# Altium PCB STM32F207VC.PcbDoc (part 6 of 16)
Units mm, origin at the board's own origin, x right, y up, seen from the top; angles counter-clockwise.
Board outline 99.19 x 99.95 mm, 2 copper layers (Top Layer, Bottom Layer); 127 components, 125 nets, 570 pads, 172 vias.
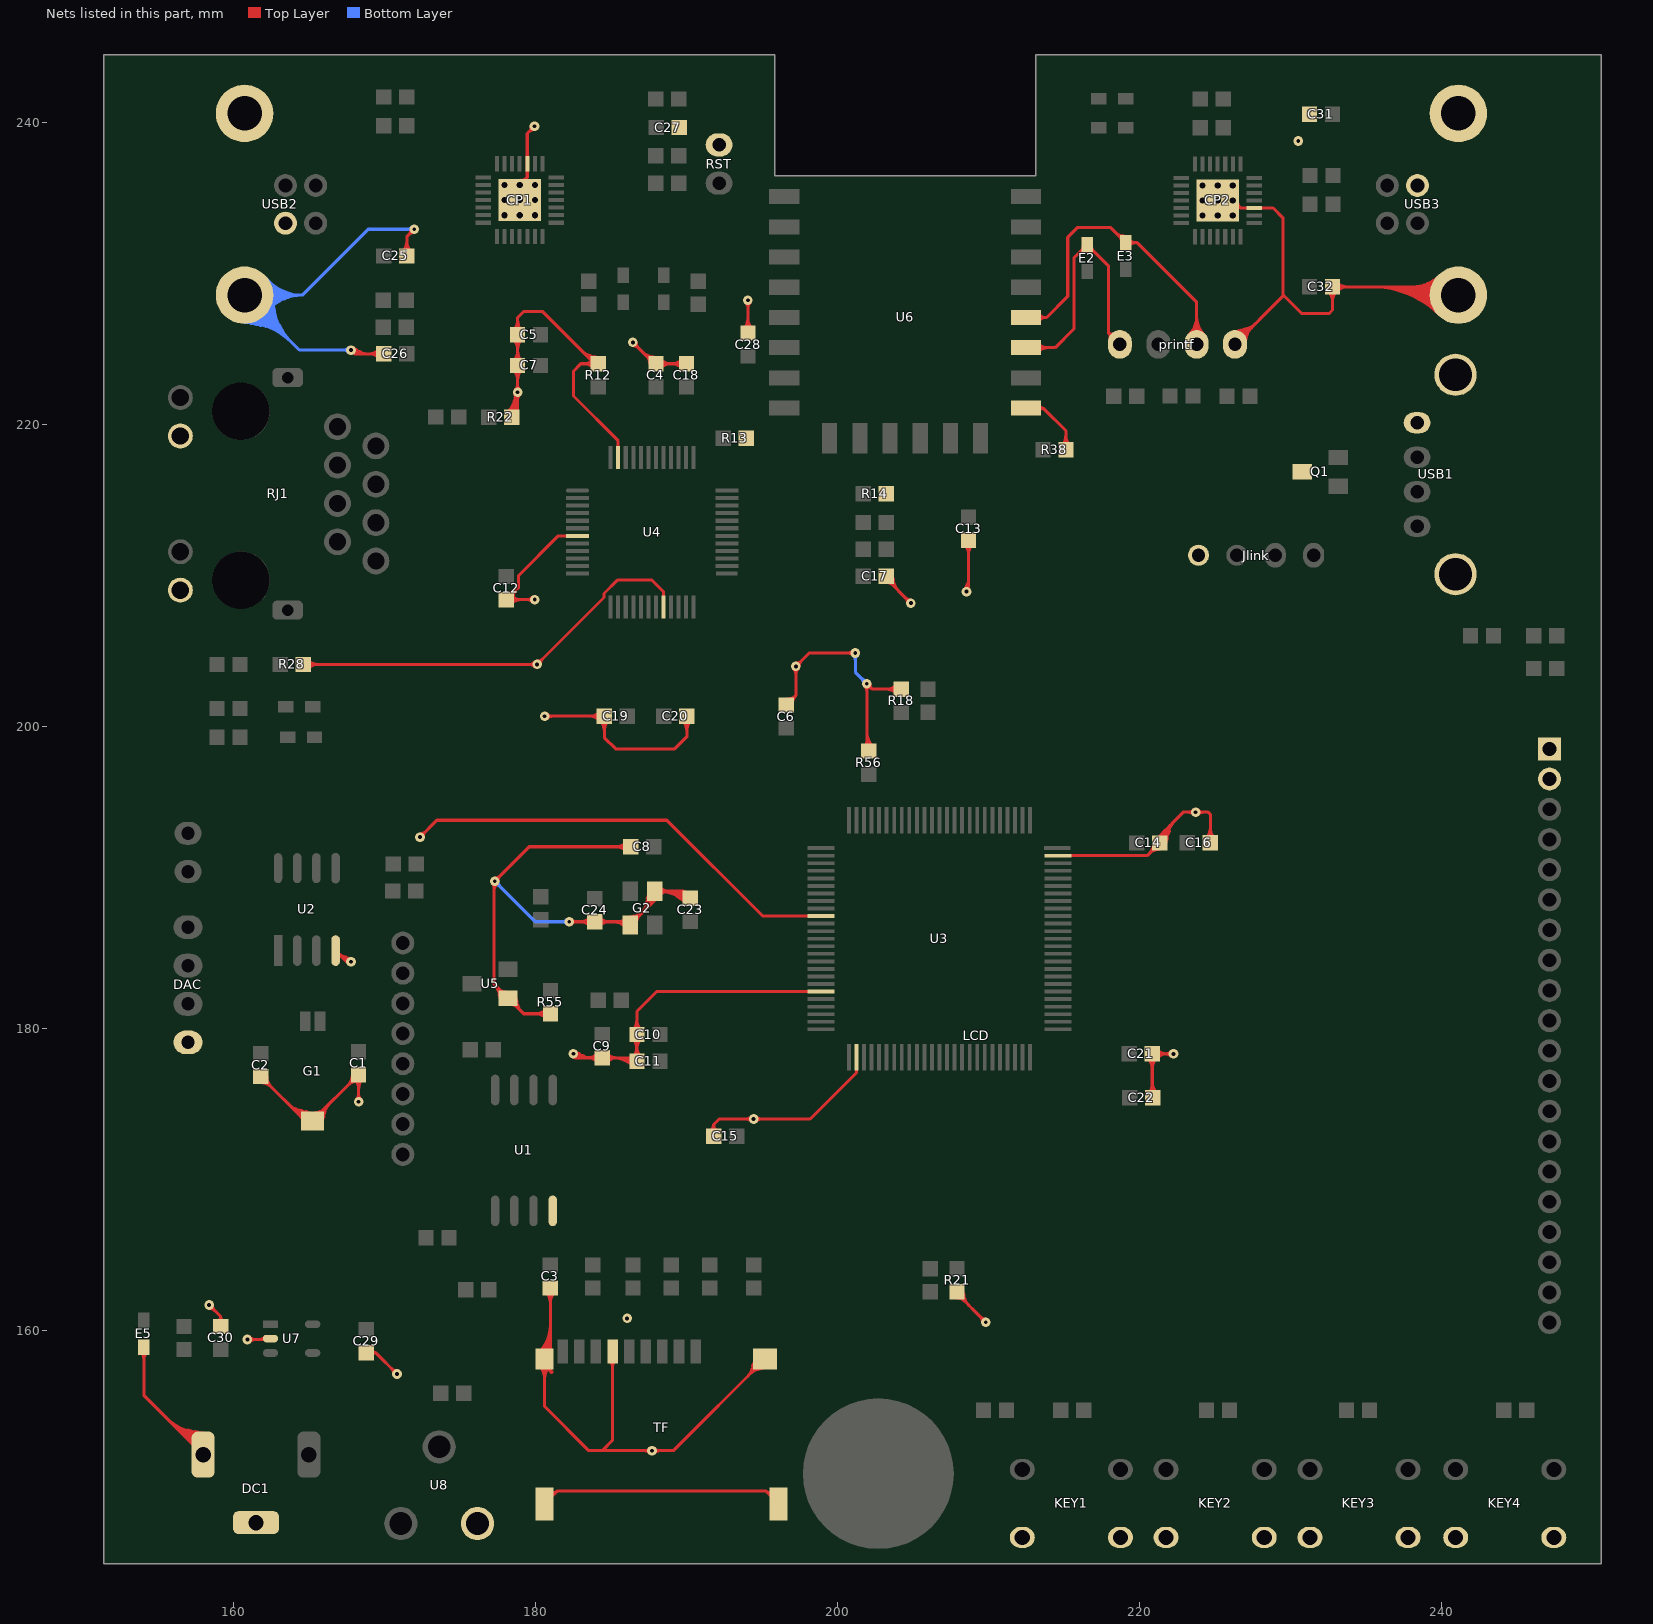
[diagram p6: the nets of this part, all layers, seen from the top]

## Via types
v1: diameter 0.635, hole 0.254, Top Layer to Bottom Layer, tented both sides, 152 vias
v2: diameter 0.635, hole 0.406, Top Layer to Bottom Layer, 18 vias
v3: diameter 1, hole 1, Top Layer to Bottom Layer, 2 vias

## Nets (pads, with @x,y where several pads share a name; then routed paths per layer and width w, separated by ;. In a path a pad name is that pad's centre, name@x,y a point inside that pad or via, vN(x,y) a via of type N, cw(c..) or ccw(c..) an arc to the next point about the centre after c; other vN are vias at no path point) (continued)
GND: (continued)
  Top Layer w0.203: C17.1@203.281,210.13 cw(c203.086,209.538) C17.1@203.687,209.7 ; C17.1@203.281,210.13 cw(c203.086,209.538) C17.1@203.687,209.7 ; C17.1@203.281,210.13 cw(c203.086,209.538) C17.1@203.687,209.7 ; C17.1@203.421,209.937 ccw(c204.274,209.937) 203.671,209.333 ; C17.1@203.421,209.937 ccw(c204.274,209.937) 203.671,209.333 ; C17.1@203.421,209.937 ccw(c204.274,209.937) 203.671,209.333 ; C17.1@203.421,209.937 ccw(c204.274,209.937) 203.671,209.333 ; C17.1@203.624,209.937 ccw(c204.968,209.937) 204.017,208.987 ; C17.1@203.624,209.937 ccw(c204.968,209.937) 204.017,208.987 ; C17.1@203.624,209.937 ccw(c204.968,209.937) 204.017,208.987 ; C17.1@203.624,209.937 ccw(c204.968,209.937) 204.017,208.987 ; 204.482,208.522 cw(c204.114,208.153) v1@204.635,208.153 ; 204.482,208.522 ccw(c204.851,208.89) v1@204.851,208.369 ; 204.482,208.522 cw(c204.114,208.153) v1@204.635,208.153 ; 204.482,208.522 ccw(c204.851,208.89) v1@204.851,208.369 ; 204.482,208.522 ccw(c204.851,208.89) v1@204.851,208.369 ; 204.482,208.522 cw(c204.114,208.153) v1@204.635,208.153 ; 204.482,208.522 ccw(c204.851,208.89) v1@204.851,208.369 ; 204.482,208.522 cw(c204.114,208.153) v1@204.635,208.153 ; 204.557,208.445 ccw(c204.931,208.545) v1@204.854,208.165 ; 204.557,208.445 ccw(c204.931,208.545) v1@204.854,208.165 ; 204.557,208.445 ccw(c204.931,208.545) v1@204.854,208.165 ; 204.557,208.445 ccw(c204.931,208.545) v1@204.854,208.165 ; 204.557,208.445 ccw(c204.931,208.545) v1@204.854,208.165 ; 204.557,208.445 ccw(c204.931,208.545) v1@204.854,208.165 ; 204.559,208.447 cw(c204.459,208.073) v1@204.839,208.15 ; 204.559,208.447 cw(c204.459,208.073) v1@204.839,208.15 ; 204.559,208.447 cw(c204.459,208.073) v1@204.839,208.15 ; 204.559,208.447 cw(c204.459,208.073) v1@204.839,208.15 ; 204.559,208.447 cw(c204.459,208.073) v1@204.839,208.15 ; 204.559,208.447 cw(c204.459,208.073) v1@204.839,208.15 ; R21.1@207.905,162.136 cw(c207.905,161.434) 208.401,161.931 ; R21.1@207.905,162.136 cw(c207.905,161.434) 208.401,161.931 ; R21.1@207.905,162.136 cw(c207.905,161.434) 208.401,161.931 ; R21.1@207.905,162.136 cw(c207.905,161.434) 208.401,161.931 ; R21.1@207.905,162.543 cw(c207.664,161.747) 208.467,161.962 ; R21.1@207.905,162.543 cw(c207.664,161.747) 208.467,161.962 ; R21.1@207.905,162.543 cw(c207.664,161.747) 208.467,161.962 ; R21.1@207.905,162.543 cw(c207.664,161.747) 208.467,161.962 ; R21.1@207.905,162.543 cw(c207.664,161.747) 208.467,161.962 ; R21.1@207.905,162.543 cw(c207.664,161.747) 208.467,161.962 ; R21.1@207.964,162.737 cw(c207.789,162.159) R21.1@208.372,162.315 ; R21.1@207.964,162.737 cw(c207.789,162.159) R21.1@208.372,162.315 ; R21.1@207.964,162.737 cw(c207.789,162.159) R21.1@208.372,162.315 ; R21.1@207.964,162.737 cw(c207.789,162.159) R21.1@208.372,162.315 ; R21.1@207.964,162.737 cw(c207.789,162.159) R21.1@208.372,162.315 ; R21.1@207.964,162.737 cw(c207.789,162.159) R21.1@208.372,162.315 ; R21.1@208.108,162.543 ccw(c208.878,162.543) 208.334,161.998 ; R21.1@208.108,162.543 ccw(c208.878,162.543) 208.334,161.998 ; R21.1@208.108,162.543 ccw(c208.878,162.543) 208.334,161.998 ; R21.1@208.108,162.543 ccw(c208.878,162.543) 208.334,161.998 ; R21.1@208.311,162.543 ccw(c209.571,162.543) 208.68,161.652 ; R21.1@208.311,162.543 ccw(c209.571,162.543) 208.68,161.652 ; R21.1@208.311,162.543 ccw(c209.571,162.543) 208.68,161.652 ; R21.1@208.311,162.543 ccw(c209.571,162.543) 208.68,161.652 ; C13.1@208.38,212.039 cw(c207.686,211.345) 208.667,211.345 ; C13.1@208.38,212.039 cw(c207.686,211.345) 208.667,211.345 ; C13.1@208.38,212.039 cw(c207.686,211.345) 208.667,211.345 ; C13.1@208.38,212.039 cw(c207.686,211.345) 208.667,211.345 ; v1@208.381,209.068 ccw(c207.692,209.757) 208.667,209.757 ; v1@208.381,209.068 ccw(c207.692,209.757) 208.667,209.757 ; v1@208.381,209.068 ccw(c207.692,209.757) 208.667,209.757 ; v1@208.381,209.068 ccw(c207.692,209.757) 208.667,209.757 ; v1@208.525,208.924 ccw(c208.182,209.267) 208.667,209.267 ; v1@208.525,208.924 ccw(c208.182,209.267) 208.667,209.267 ; v1@208.525,208.924 ccw(c208.182,209.267) 208.667,209.267 ; v1@208.525,208.924 ccw(c208.182,209.267) 208.667,209.267 ; 208.574,209.401 ccw(c208.768,209.288) v1@208.649,209.098 ; 208.574,209.401 ccw(c208.768,209.288) v1@208.649,209.098 ; 208.574,209.401 ccw(c208.768,209.288) v1@208.649,209.098 ; 208.574,209.401 ccw(c208.768,209.288) v1@208.649,209.098 ; 208.574,209.401 ccw(c208.768,209.288) v1@208.649,209.098 ; 208.574,209.401 ccw(c208.768,209.288) v1@208.649,209.098 ; 208.667,211.345 cw(c209.648,211.345) C13.1@208.954,212.039 ; 208.667,211.345 cw(c209.648,211.345) C13.1@208.954,212.039 ; 208.667,211.345 cw(c209.648,211.345) C13.1@208.954,212.039 ; 208.667,211.345 cw(c209.648,211.345) C13.1@208.954,212.039 ; 209.435,160.897 cw(c209.067,160.528) v1@209.588,160.528 ; 209.435,160.897 ccw(c209.804,161.265) v1@209.804,160.744 ; 209.435,160.897 cw(c209.067,160.528) v1@209.588,160.528 ; 209.435,160.897 ccw(c209.804,161.265) v1@209.804,160.744 ; 209.435,160.897 ccw(c209.804,161.265) v1@209.804,160.744 ; 209.435,160.897 cw(c209.067,160.528) v1@209.588,160.528 ; 209.435,160.897 ccw(c209.804,161.265) v1@209.804,160.744 ; 209.435,160.897 cw(c209.067,160.528) v1@209.588,160.528 ; 209.51,160.82 ccw(c209.884,160.92) v1@209.807,160.54 ; 209.51,160.82 ccw(c209.884,160.92) v1@209.807,160.54 ; 209.51,160.82 ccw(c209.884,160.92) v1@209.807,160.54 ; 209.51,160.82 ccw(c209.884,160.92) v1@209.807,160.54 ; 209.51,160.82 ccw(c209.884,160.92) v1@209.807,160.54 ; 209.51,160.82 ccw(c209.884,160.92) v1@209.807,160.54 ; 209.512,160.822 cw(c209.412,160.448) v1@209.792,160.525 ; 209.512,160.822 cw(c209.412,160.448) v1@209.792,160.525 ; 209.512,160.822 cw(c209.412,160.448) v1@209.792,160.525 ; 209.512,160.822 cw(c209.412,160.448) v1@209.792,160.525 ; 209.512,160.822 cw(c209.412,160.448) v1@209.792,160.525 ; 209.512,160.822 cw(c209.412,160.448) v1@209.792,160.525 ; U6.15@213.325,220.894 cw(c213.612,220.751) 213.612,221.071 ; U6.15@213.325,220.894 cw(c213.612,220.751) 213.612,221.071 ; U6.15@213.325,220.894 cw(c213.612,220.751) 213.612,221.071 ; U6.15@213.325,220.894 cw(c213.612,220.751) 213.612,221.071 ; U6.15@213.325,221.248 ccw(c213.612,221.391) 213.612,221.071 ; U6.15@213.325,221.248 ccw(c213.612,221.391) 213.612,221.071 ; U6.15@213.325,221.248 ccw(c213.612,221.391) 213.612,221.071 ; U6.15@213.325,221.248 ccw(c213.612,221.391) 213.612,221.071 ; R38.2@214.833,218.594 ccw(c214.139,219.288) 215.121,219.288 ; R38.2@214.833,218.594 ccw(c214.139,219.288) 215.121,219.288 ; R38.2@214.833,218.594 ccw(c214.139,219.288) 215.121,219.288 ; R38.2@214.833,218.594 ccw(c214.139,219.288) 215.121,219.288 ; 215.121,219.288 ccw(c216.102,219.288) R38.2@215.408,218.594 ; 215.121,219.288 ccw(c216.102,219.288) R38.2@215.408,218.594 ; 215.121,219.288 ccw(c216.102,219.288) R38.2@215.408,218.594 ; 215.121,219.288 ccw(c216.102,219.288) R38.2@215.408,218.594 ; C21.2@220.548,178.015 cw(c219.854,177.321) 220.836,177.321 ; C21.2@220.548,178.015 cw(c219.854,177.321) 220.836,177.321 ; C21.2@220.548,178.015 cw(c219.854,177.321) 220.836,177.321 ; C21.2@220.548,178.015 cw(c219.854,177.321) 220.836,177.321 ; C22.1@220.583,175.68 ccw(c219.973,176.29) 220.836,176.29 ; C22.1@220.583,175.68 ccw(c219.973,176.29) 220.836,176.29 ; C22.1@220.583,175.68 ccw(c219.973,176.29) 220.836,176.29 ; C22.1@220.583,175.68 ccw(c219.973,176.29) 220.836,176.29 ; 220.65,191.578 cw(c221.344,190.885) C14.2@221.344,191.866 ; 220.65,191.578 ccw(c219.956,192.272) C14.2@220.937,192.272 ; 220.65,191.578 cw(c221.344,190.885) C14.2@221.344,191.866 ; 220.65,191.578 ccw(c219.956,192.272) C14.2@220.937,192.272 ; 220.65,191.578 ccw(c219.956,192.272) C14.2@220.937,192.272 ; 220.65,191.578 cw(c221.344,190.885) C14.2@221.344,191.866 ; 220.65,191.578 ccw(c219.956,192.272) C14.2@220.937,192.272 ; 220.65,191.578 cw(c221.344,190.885) C14.2@221.344,191.866 ; 220.8,191.76 cw(c221.486,191.576) C14.2@221.344,192.272 ; 220.8,191.76 cw(c221.486,191.576) C14.2@221.344,192.272 ; 220.8,191.76 cw(c221.486,191.576) C14.2@221.344,192.272 ; 220.8,191.76 cw(c221.486,191.576) C14.2@221.344,192.272 ; 220.8,191.76 cw(c221.486,191.576) C14.2@221.344,192.272 ; 220.8,191.76 cw(c221.486,191.576) C14.2@221.344,192.272 ; 220.832,191.728 ccw(c220.648,192.415) C14.2@221.344,192.272 ; 220.832,191.728 ccw(c220.648,192.415) C14.2@221.344,192.272 ; 220.832,191.728 ccw(c220.648,192.415) C14.2@221.344,192.272 ; 220.832,191.728 ccw(c220.648,192.415) C14.2@221.344,192.272 ; 220.832,191.728 ccw(c220.648,192.415) C14.2@221.344,192.272 ; 220.832,191.728 ccw(c220.648,192.415) C14.2@221.344,192.272 ; 220.836,175.967 ccw(c221.445,175.967) C22.1@221.014,175.537 ; 220.836,175.967 ccw(c221.445,175.967) C22.1@221.014,175.537 ; 220.836,175.967 ccw(c221.445,175.967) C22.1@221.014,175.537 ; 220.836,175.967 ccw(c221.445,175.967) C22.1@221.014,175.537 ; 220.836,176.458 ccw(c221.935,176.458) C22.1@221.158,175.68 ; 220.836,176.458 ccw(c221.935,176.458) C22.1@221.158,175.68 ; 220.836,176.458 ccw(c221.935,176.458) C22.1@221.158,175.68 ; 220.836,176.458 ccw(c221.935,176.458) C22.1@221.158,175.68 ; 220.836,177.321 cw(c221.817,177.321) C21.2@221.123,178.015 ; 220.836,177.321 cw(c221.817,177.321) C21.2@221.123,178.015 ; 220.836,177.321 cw(c221.817,177.321) C21.2@221.123,178.015 ; 220.836,177.321 cw(c221.817,177.321) C21.2@221.123,178.015 ; C21.2@221.123,178.015 cw(c221.817,177.321) 221.817,178.302 ; C21.2@221.123,178.015 cw(c221.817,177.321) 221.817,178.302 ; C21.2@221.123,178.015 cw(c221.817,177.321) 221.817,178.302 ; C21.2@221.123,178.015 cw(c221.817,177.321) 221.817,178.302 ; C21.2@221.123,178.589 ccw(c221.817,179.283) 221.817,178.302 ; C21.2@221.123,178.589 ccw(c221.817,179.283) 221.817,178.302 ; C21.2@221.123,178.589 ccw(c221.817,179.283) 221.817,178.302 ; C21.2@221.123,178.589 ccw(c221.817,179.283) 221.817,178.302 ; C14.2@221.261,192.458 ccw(c220.901,193.26) 221.751,193.032 ; C14.2@221.261,192.458 ccw(c220.901,193.26) 221.751,193.032 ; C14.2@221.261,192.458 ccw(c220.901,193.26) 221.751,193.032 ; C14.2@221.261,192.458 ccw(c220.901,193.26) 221.751,193.032 ; C14.2@221.261,192.458 ccw(c220.901,193.26) 221.751,193.032 ; C14.2@221.261,192.458 ccw(c220.901,193.26) 221.751,193.032 ; C14.2@221.283,192.674 ccw(c221.243,192.941) 221.504,192.871 ; C14.2@221.283,192.674 ccw(c221.243,192.941) 221.504,192.871 ; C14.2@221.283,192.674 ccw(c221.243,192.941) 221.504,192.871 ; C14.2@221.283,192.674 ccw(c221.243,192.941) 221.504,192.871 ; C14.2@221.283,192.674 ccw(c221.243,192.941) 221.504,192.871 ; C14.2@221.283,192.674 ccw(c221.243,192.941) 221.504,192.871 ; C14.2@221.344,192.272 cw(c222.542,192.272) 221.695,193.12 ; C14.2@221.344,192.272 ccw(c220.689,193.418) 221.965,193.079 ; C14.2@221.344,192.272 ccw(c220.689,193.418) 221.965,193.079 ; C14.2@221.344,192.272 cw(c222.542,192.272) 221.695,193.12 ; C14.2@221.344,192.272 ccw(c220.689,193.418) 221.965,193.079 ; C14.2@221.344,192.272 cw(c222.542,192.272) 221.695,193.12 ; C14.2@221.344,192.272 ccw(c220.689,193.418) 221.965,193.079 ; C14.2@221.344,192.272 ccw(c220.689,193.418) 221.965,193.079 ; C14.2@221.344,192.272 ccw(c220.689,193.418) 221.965,193.079 ; C14.2@221.344,192.272 cw(c222.542,192.272) 221.695,193.12 ; C14.2@221.444,192.096 ccw(c221.028,192.825) C14.2@221.84,192.609 ; C14.2@221.444,192.096 ccw(c221.028,192.825) C14.2@221.84,192.609 ; C14.2@221.444,192.096 ccw(c221.028,192.825) C14.2@221.84,192.609 ; C14.2@221.444,192.096 ccw(c221.028,192.825) C14.2@221.84,192.609 ; C14.2@221.444,192.096 ccw(c221.028,192.825) C14.2@221.84,192.609 ; C14.2@221.444,192.096 ccw(c221.028,192.825) C14.2@221.84,192.609 ; 221.504,192.871 ccw(c221.766,192.801) C14.2@221.597,192.59 ; 221.504,192.871 ccw(c221.766,192.801) C14.2@221.597,192.59 ; 221.504,192.871 ccw(c221.766,192.801) C14.2@221.597,192.59 ; 221.504,192.871 ccw(c221.766,192.801) C14.2@221.597,192.59 ; 221.504,192.871 ccw(c221.766,192.801) C14.2@221.597,192.59 ; 221.504,192.871 ccw(c221.766,192.801) C14.2@221.597,192.59 ; C14.2@221.547,192.272 cw(c223.236,192.272) 222.042,193.467 ; C14.2@221.547,192.272 cw(c223.236,192.272) 222.042,193.467 ; C14.2@221.547,192.272 cw(c223.236,192.272) 222.042,193.467 ; C14.2@221.547,192.272 cw(c223.236,192.272) 222.042,193.467 ; C14.2@221.665,192.711 ccw(c221.965,192.631) C14.2@221.696,192.475 ; C14.2@221.665,192.711 ccw(c221.965,192.631) C14.2@221.696,192.475 ; C14.2@221.665,192.711 ccw(c221.965,192.631) C14.2@221.696,192.475 ; C14.2@221.665,192.711 ccw(c221.965,192.631) C14.2@221.696,192.475 ; C14.2@221.665,192.711 ccw(c221.965,192.631) C14.2@221.696,192.475 ; C14.2@221.665,192.711 ccw(c221.965,192.631) C14.2@221.696,192.475 ; 221.723,178.302 cw(c221.723,177.781) v1@222.091,178.149 ; 221.723,178.302 ccw(c221.723,178.823) v1@222.091,178.455 ; 221.723,178.302 cw(c221.723,177.781) v1@222.091,178.149 ; 221.723,178.302 ccw(c221.723,178.823) v1@222.091,178.455 ; 221.723,178.302 ccw(c221.723,178.823) v1@222.091,178.455 ; 221.723,178.302 cw(c221.723,177.781) v1@222.091,178.149 ; 221.723,178.302 ccw(c221.723,178.823) v1@222.091,178.455 ; 221.723,178.302 cw(c221.723,177.781) v1@222.091,178.149 ; C14.2@221.75,192.272 cw(c223.93,192.272) 222.389,193.814 ; C14.2@221.75,192.272 cw(c223.93,192.272) 222.389,193.814 ; C14.2@221.75,192.272 cw(c223.93,192.272) 222.389,193.814 ; C14.2@221.75,192.272 cw(c223.93,192.272) 222.389,193.814 ; 223.189,194.31 cw(c223.189,193.789) v1@223.558,194.157 ; 223.189,194.31 ccw(c223.189,194.831) v1@223.558,194.463 ; 223.189,194.31 cw(c223.189,193.789) v1@223.558,194.157 ; 223.189,194.31 ccw(c223.189,194.831) v1@223.558,194.463 ; 223.189,194.31 ccw(c223.189,194.831) v1@223.558,194.463 ; 223.189,194.31 cw(c223.189,193.789) v1@223.558,194.157 ; 223.189,194.31 ccw(c223.189,194.831) v1@223.558,194.463 ; 223.189,194.31 cw(c223.189,193.789) v1@223.558,194.157 ; v1@223.863,194.157 cw(c224.232,193.789) 224.232,194.31 ; v1@223.863,194.157 cw(c224.232,193.789) 224.232,194.31 ; v1@223.863,194.157 cw(c224.232,193.789) 224.232,194.31 ; v1@223.863,194.157 cw(c224.232,193.789) 224.232,194.31 ; v1@223.863,194.463 ccw(c224.232,194.831) 224.232,194.31 ; v1@223.863,194.463 ccw(c224.232,194.831) 224.232,194.31 ; v1@223.863,194.463 ccw(c224.232,194.831) 224.232,194.31 ; v1@223.863,194.463 ccw(c224.232,194.831) 224.232,194.31 ; C16.1@224.393,192.571 ccw(c223.699,193.265) 224.68,193.265 ; C16.1@224.393,192.571 ccw(c223.699,193.265) 224.68,193.265 ; C16.1@224.393,192.571 ccw(c223.699,193.265) 224.68,193.265 ; C16.1@224.393,192.571 ccw(c223.699,193.265) 224.68,193.265 ; 224.68,193.265 ccw(c225.662,193.265) C16.1@224.968,192.571 ; 224.68,193.265 ccw(c225.662,193.265) C16.1@224.968,192.571 ; 224.68,193.265 ccw(c225.662,193.265) C16.1@224.968,192.571 ; 224.68,193.265 ccw(c225.662,193.265) C16.1@224.968,192.571 ; printf.4@225.997,225.555 cw(c226.974,225.272) 226.711,226.255 ; printf.4@225.997,225.555 cw(c226.974,225.272) 226.711,226.255 ; printf.4@225.997,225.555 cw(c226.974,225.272) 226.711,226.255 ; printf.4@225.997,225.555 cw(c226.974,225.272) 226.711,226.255 ; printf.4@225.997,225.555 cw(c226.974,225.272) 226.711,226.255 ; printf.4@225.997,225.555 cw(c226.974,225.272) 226.711,226.255 ; CP2.3@226.168,234.811 cw(c226.091,234.431) CP2.3@226.465,234.531 ; CP2.3@226.168,234.811 cw(c226.091,234.431) CP2.3@226.465,234.531 ; CP2.3@226.168,234.811 cw(c226.091,234.431) CP2.3@226.465,234.531 ; CP2.3@226.168,234.811 cw(c226.091,234.431) CP2.3@226.465,234.531 ; CP2.3@226.168,234.811 cw(c226.091,234.431) CP2.3@226.465,234.531 ; CP2.3@226.168,234.811 cw(c226.091,234.431) CP2.3@226.465,234.531 ; CP2.3@226.171,234.607 cw(c226.171,234.086) CP2.3@226.54,234.454 ; CP2.3@226.171,234.607 cw(c226.171,234.086) CP2.3@226.54,234.454 ; CP2.3@226.171,234.607 cw(c226.171,234.086) CP2.3@226.54,234.454 ; CP2.3@226.171,234.607 cw(c226.171,234.086) CP2.3@226.54,234.454 ; CP2.3@226.183,234.826 ccw(c226.563,234.903) CP2.3@226.463,234.529 ; CP2.3@226.183,234.826 ccw(c226.563,234.903) CP2.3@226.463,234.529 ; CP2.3@226.183,234.826 ccw(c226.563,234.903) CP2.3@226.463,234.529 ; CP2.3@226.183,234.826 ccw(c226.563,234.903) CP2.3@226.463,234.529 ; CP2.3@226.183,234.826 ccw(c226.563,234.903) CP2.3@226.463,234.529 ; CP2.3@226.183,234.826 ccw(c226.563,234.903) CP2.3@226.463,234.529 ; printf.4@226.192,225.498 cw(c227.378,225.156) 227.059,226.348 ; printf.4@226.192,225.498 cw(c227.378,225.156) 227.059,226.348 ; printf.4@226.192,225.498 cw(c227.378,225.156) 227.059,226.348 ; printf.4@226.192,225.498 cw(c227.378,225.156) 227.059,226.348 ; printf.4@226.192,225.498 cw(c227.378,225.156) 227.059,226.348 ; printf.4@226.192,225.498 cw(c227.378,225.156) 227.059,226.348 ; CP2.3@226.234,235.003 cw(c226.101,234.622) CP2.3@226.491,234.725 ; CP2.3@226.234,235.003 cw(c226.101,234.622) CP2.3@226.491,234.725 ; CP2.3@226.234,235.003 cw(c226.101,234.622) CP2.3@226.491,234.725 ; CP2.3@226.234,235.003 cw(c226.101,234.622) CP2.3@226.491,234.725 ; CP2.3@226.234,235.003 cw(c226.101,234.622) CP2.3@226.491,234.725 ; CP2.3@226.234,235.003 cw(c226.101,234.622) CP2.3@226.491,234.725 ; CP2.3@226.234,235.003 cw(c226.101,234.622) CP2.3@226.491,234.725 ; CP2.3@226.234,235.003 cw(c226.101,234.622) CP2.3@226.491,234.725 ; CP2.3@226.234,235.003 cw(c226.101,234.622) CP2.3@226.491,234.725 ; CP2.3@226.234,235.003 cw(c226.101,234.622) CP2.3@226.491,234.725 ; printf.4@226.314,225.742 ccw(c226.314,226.816) 227.073,226.057 ; printf.4@226.314,225.742 ccw(c226.314,226.816) 227.073,226.057 ; printf.4@226.314,225.742 ccw(c226.314,226.816) 227.073,226.057 ; printf.4@226.314,225.742 ccw(c226.314,226.816) 227.073,226.057 ; printf.4@226.314,225.946 ccw(c226.314,227.509) 227.42,226.404 ; printf.4@226.314,225.946 ccw(c226.314,227.509) 227.42,226.404 ; printf.4@226.314,225.946 ccw(c226.314,227.509) 227.42,226.404 ; printf.4@226.314,225.946 ccw(c226.314,227.509) 227.42,226.404 ; printf.4@226.314,226.149 ccw(c226.314,228.203) 227.767,226.751 ; printf.4@226.314,226.149 ccw(c226.314,228.203) 227.767,226.751 ; printf.4@226.314,226.149 ccw(c226.314,228.203) 227.767,226.751 ; printf.4@226.314,226.149 ccw(c226.314,228.203) 227.767,226.751 ; printf.4@226.328,225.337 ccw(c226.22,226.3) 227.157,226.049 ; printf.4@226.328,225.337 ccw(c226.22,226.3) 227.157,226.049 ; printf.4@226.328,225.337 ccw(c226.22,226.3) 227.157,226.049 ; printf.4@226.328,225.337 ccw(c226.22,226.3) 227.157,226.049 ; printf.4@226.328,225.337 ccw(c226.22,226.3) 227.157,226.049 ; printf.4@226.328,225.337 ccw(c226.22,226.3) 227.157,226.049 ; printf.4@226.351,225.135 ccw(c226.256,225.983) 227.08,225.762 ; printf.4@226.351,225.135 ccw(c226.256,225.983) 227.08,225.762 ; printf.4@226.351,225.135 ccw(c226.256,225.983) 227.08,225.762 ; printf.4@226.351,225.135 ccw(c226.256,225.983) 227.08,225.762 ; printf.4@226.351,225.135 ccw(c226.256,225.983) 227.08,225.762 ; printf.4@226.351,225.135 ccw(c226.256,225.983) 227.08,225.762 ; CP2.3@226.387,234.823 ccw(c226.908,234.823) CP2.3@226.54,234.454 ; CP2.3@226.387,234.823 ccw(c226.908,234.823) CP2.3@226.54,234.454 ; CP2.3@226.387,234.823 ccw(c226.908,234.823) CP2.3@226.54,234.454 ; CP2.3@226.387,234.823 ccw(c226.908,234.823) CP2.3@226.54,234.454 ; printf.4@226.387,225.442 cw(c227.782,225.039) 227.406,226.442 ; printf.4@226.387,225.442 cw(c227.782,225.039) 227.406,226.442 ; printf.4@226.387,225.442 cw(c227.782,225.039) 227.406,226.442 ; printf.4@226.387,225.442 cw(c227.782,225.039) 227.406,226.442 ; printf.4@226.387,225.442 cw(c227.782,225.039) 227.406,226.442 ; printf.4@226.387,225.442 cw(c227.782,225.039) 227.406,226.442 ; printf.4@226.389,225.452 cw(c227.196,225.339) 226.985,226.126 ; printf.4@226.389,225.452 cw(c227.196,225.339) 226.985,226.126 ; printf.4@226.389,225.452 cw(c227.196,225.339) 226.985,226.126 ; printf.4@226.389,225.452 cw(c227.196,225.339) 226.985,226.126 ; printf.4@226.389,225.452 cw(c227.196,225.339) 226.985,226.126 ; printf.4@226.389,225.452 cw(c227.196,225.339) 226.985,226.126 ; CP2.3@226.466,234.819 ccw(c227.165,234.817) 226.671,234.323 ; CP2.3@226.466,234.819 ccw(c227.165,234.817) 226.671,234.323 ; CP2.3@226.466,234.819 ccw(c227.165,234.817) 226.671,234.323 ; CP2.3@226.466,234.819 ccw(c227.165,234.817) 226.671,234.323 ; printf.4@226.797,225.463 cw(c227.563,225.463) 227.021,226.005 ; printf.4@226.797,225.463 cw(c227.563,225.463) 227.021,226.005 ; printf.4@226.797,225.463 cw(c227.563,225.463) 227.021,226.005 ; printf.4@226.797,225.463 cw(c227.563,225.463) 227.021,226.005 ; printf.4@227,225.463 cw(c228.257,225.463) 227.368,226.352 ; printf.4@227,225.463 cw(c228.257,225.463) 227.368,226.352 ; printf.4@227,225.463 cw(c228.257,225.463) 227.368,226.352 ; printf.4@227,225.463 cw(c228.257,225.463) 227.368,226.352 ; C32.2@232.486,228.815 cw(c231.792,228.121) 232.774,228.121 ; C32.2@232.486,228.815 cw(c231.792,228.121) 232.774,228.121 ; C32.2@232.486,228.815 cw(c231.792,228.121) 232.774,228.121 ; C32.2@232.486,228.815 cw(c231.792,228.121) 232.774,228.121 ; 232.774,228.121 cw(c233.755,228.121) C32.2@233.061,228.815 ; 232.774,228.121 cw(c233.755,228.121) C32.2@233.061,228.815 ; 232.774,228.121 cw(c233.755,228.121) C32.2@233.061,228.815 ; 232.774,228.121 cw(c233.755,228.121) C32.2@233.061,228.815 ; C32.2@233.061,228.815 cw(c233.755,228.121) 233.755,229.102 ; C32.2@233.061,228.815 cw(c233.755,228.121) 233.755,229.102 ; C32.2@233.061,228.815 cw(c233.755,228.121) 233.755,229.102 ; C32.2@233.061,228.815 cw(c233.755,228.121) 233.755,229.102 ; C32.2@233.061,229.389 ccw(c233.755,230.083) 233.755,229.102 ; C32.2@233.061,229.389 ccw(c233.755,230.083) 233.755,229.102 ; C32.2@233.061,229.389 ccw(c233.755,230.083) 233.755,229.102 ; C32.2@233.061,229.389 ccw(c233.755,230.083) 233.755,229.102 ; 235.422,229.102 cw(c235.422,222.86) USB3.5@239.836,227.274 ; 235.422,229.102 cw(c235.422,222.86) USB3.5@239.836,227.274 ; 235.422,229.102 cw(c235.422,222.86) USB3.5@239.836,227.274 ; 235.422,229.102 cw(c235.422,222.86) USB3.5@239.836,227.274 ; 235.912,229.102 cw(c235.912,223.35) USB3.5@239.979,227.417 ; 235.912,229.102 cw(c235.912,223.35) USB3.5@239.979,227.417 ; 235.912,229.102 cw(c235.912,223.35) USB3.5@239.979,227.417 ; 235.912,229.102 cw(c235.912,223.35) USB3.5@239.979,227.417 ; 236.403,229.102 cw(c236.403,223.841) USB3.5@240.123,227.561 ; 236.403,229.102 cw(c236.403,223.841) USB3.5@240.123,227.561 ; 236.403,229.102 cw(c236.403,223.841) USB3.5@240.123,227.561 ; 236.403,229.102 cw(c236.403,223.841) USB3.5@240.123,227.561 ; 236.893,229.102 cw(c236.893,224.332) USB3.5@240.267,227.705 ; 236.893,229.102 cw(c236.893,224.332) USB3.5@240.267,227.705 ; 236.893,229.102 cw(c236.893,224.332) USB3.5@240.267,227.705 ; 236.893,229.102 cw(c236.893,224.332) USB3.5@240.267,227.705 ; 237.384,229.102 cw(c237.384,224.822) USB3.5@240.41,227.848 ; 237.384,229.102 cw(c237.384,224.822) USB3.5@240.41,227.848 ; 237.384,229.102 cw(c237.384,224.822) USB3.5@240.41,227.848 ; 237.384,229.102 cw(c237.384,224.822) USB3.5@240.41,227.848 ; 237.875,229.102 cw(c237.875,225.313) USB3.5@240.554,227.992 ; 237.875,229.102 cw(c237.875,225.313) USB3.5@240.554,227.992 ; 237.875,229.102 cw(c237.875,225.313) USB3.5@240.554,227.992 ; 237.875,229.102 cw(c237.875,225.313) USB3.5@240.554,227.992 ; 238.092,229.102 ccw(c238.092,231.567) USB3.5@239.836,229.824 ; 238.092,229.102 ccw(c238.092,231.567) USB3.5@239.836,229.824 ; 238.092,229.102 ccw(c238.092,231.567) USB3.5@239.836,229.824 ; 238.092,229.102 ccw(c238.092,231.567) USB3.5@239.836,229.824 ; 238.365,229.102 cw(c238.365,225.803) USB3.5@240.698,228.136 ; 238.365,229.102 cw(c238.365,225.803) USB3.5@240.698,228.136 ; 238.365,229.102 cw(c238.365,225.803) USB3.5@240.698,228.136 ; 238.365,229.102 cw(c238.365,225.803) USB3.5@240.698,228.136 ; 238.583,229.102 ccw(c238.583,231.077) USB3.5@239.979,229.68 ; 238.583,229.102 ccw(c238.583,231.077) USB3.5@239.979,229.68 ; 238.583,229.102 ccw(c238.583,231.077) USB3.5@239.979,229.68 ; 238.583,229.102 ccw(c238.583,231.077) USB3.5@239.979,229.68 ; 238.856,229.102 cw(c238.856,226.294) USB3.5@240.841,228.28 ; 238.856,229.102 cw(c238.856,226.294) USB3.5@240.841,228.28 ; 238.856,229.102 cw(c238.856,226.294) USB3.5@240.841,228.28 ; 238.856,229.102 cw(c238.856,226.294) USB3.5@240.841,228.28 ; 239.074,229.102 ccw(c239.074,230.586) USB3.5@240.123,229.537 ; 239.074,229.102 ccw(c239.074,230.586) USB3.5@240.123,229.537 ; 239.074,229.102 ccw(c239.074,230.586) USB3.5@240.123,229.537 ; 239.074,229.102 ccw(c239.074,230.586) USB3.5@240.123,229.537
  Top Layer w0.254: TF.10@180.968,157.707 ccw(c181.227,157.511) 180.997,157.281 ; TF.10@180.968,157.707 ccw(c181.227,157.511) 180.997,157.281 ; TF.10@180.968,157.707 ccw(c181.227,157.511) 180.997,157.281 ; TF.10@180.968,157.707 ccw(c181.227,157.511) 180.997,157.281 ; TF.10@180.991,157.741 ccw(c181.339,157.521) 181.048,157.231 ; TF.10@180.991,157.741 ccw(c181.339,157.521) 181.048,157.231 ; TF.10@180.991,157.741 ccw(c181.339,157.521) 181.048,157.231 ; TF.10@180.991,157.741 ccw(c181.339,157.521) 181.048,157.231
  Bottom Layer w0.203: v1(167.767,224.917) 164.349,224.917 USB2.6@160.717,228.549 164.541,228.549 ; v1(171.958,232.918) 168.91,232.918 164.541,228.549 ; v1(177.292,189.738) 179.976,187.054 v1(182.228,187.054) ; v1(201.168,204.851) 201.168,203.581 v1(201.93,202.819) ; USB2.6@159.571,228.064 ccw(c161.795,229.005) 161.365,226.628 ; USB2.6@159.571,228.064 ccw(c161.795,229.005) 161.365,226.628 ; USB2.6@159.571,228.064 ccw(c161.795,229.005) 161.365,226.628 ; USB2.6@159.571,228.064 ccw(c161.795,229.005) 161.365,226.628 ; USB2.6@159.571,228.064 ccw(c161.795,229.005) 161.365,226.628 ; USB2.6@159.571,228.064 ccw(c161.795,229.005) 161.365,226.628 ; USB2.6@159.758,228.143 ccw(c162.209,229.18) 161.735,226.561 ; USB2.6@159.758,228.143 ccw(c162.209,229.18) 161.735,226.561 ; USB2.6@159.758,228.143 ccw(c162.209,229.18) 161.735,226.561 ; USB2.6@159.758,228.143 ccw(c162.209,229.18) 161.735,226.561 ; USB2.6@159.758,228.143 ccw(c162.209,229.18) 161.735,226.561 ; USB2.6@159.758,228.143 ccw(c162.209,229.18) 161.735,226.561 ; USB2.6@159.945,228.222 ccw(c162.622,229.355) 162.105,226.495 ; USB2.6@159.945,228.222 ccw(c162.622,229.355) 162.105,226.495 ; USB2.6@159.945,228.222 ccw(c162.622,229.355) 162.105,226.495 ; USB2.6@159.945,228.222 ccw(c162.622,229.355) 162.105,226.495 ; USB2.6@159.945,228.222 ccw(c162.622,229.355) 162.105,226.495 ; USB2.6@159.945,228.222 ccw(c162.622,229.355) 162.105,226.495 ; USB2.6@160.089,228.457 ccw(c162.209,228.767) 161.654,226.698 ; USB2.6@160.089,228.457 ccw(c162.209,228.767) 161.654,226.698 ; USB2.6@160.089,228.457 ccw(c162.209,228.767) 161.654,226.698 ; USB2.6@160.089,228.457 ccw(c162.209,228.767) 161.654,226.698 ; USB2.6@160.089,228.457 ccw(c162.209,228.767) 161.654,226.698 ; USB2.6@160.089,228.457 ccw(c162.209,228.767) 161.654,226.698 ; USB2.6@160.29,228.486 ccw(c162.542,228.816) 161.953,226.618 ; USB2.6@160.29,228.486 ccw(c162.542,228.816) 161.953,226.618 ; USB2.6@160.29,228.486 ccw(c162.542,228.816) 161.953,226.618 ; USB2.6@160.29,228.486 ccw(c162.542,228.816) 161.953,226.618 ; USB2.6@160.29,228.486 ccw(c162.542,228.816) 161.953,226.618 ; USB2.6@160.29,228.486 ccw(c162.542,228.816) 161.953,226.618 ; USB2.6@160.491,228.516 ccw(c162.874,228.865) 162.251,226.538 ; USB2.6@160.491,228.516 ccw(c162.874,228.865) 162.251,226.538 ; USB2.6@160.491,228.516 ccw(c162.874,228.865) 162.251,226.538 ; USB2.6@160.491,228.516 ccw(c162.874,228.865) 162.251,226.538 ; USB2.6@160.491,228.516 ccw(c162.874,228.865) 162.251,226.538 ; USB2.6@160.491,228.516 ccw(c162.874,228.865) 162.251,226.538 ; USB2.6@160.692,228.545 ccw(c163.207,228.913) 162.549,226.458 ; USB2.6@160.692,228.545 ccw(c163.207,228.913) 162.549,226.458 ; USB2.6@160.692,228.545 ccw(c163.207,228.913) 162.549,226.458 ; USB2.6@160.692,228.545 ccw(c163.207,228.913) 162.549,226.458 ; USB2.6@160.692,228.545 ccw(c163.207,228.913) 162.549,226.458 ; USB2.6@160.692,228.545 ccw(c163.207,228.913) 162.549,226.458 ; USB2.6@160.717,226.746 cw(c160.717,222.392) 163.796,225.47 ; USB2.6@160.717,226.746 cw(c160.717,222.392) 163.796,225.47 ; USB2.6@160.717,226.746 cw(c160.717,222.392) 163.796,225.47 ; USB2.6@160.717,226.746 cw(c160.717,222.392) 163.796,225.47 ; USB2.6@160.717,226.949 cw(c160.717,223.086) 163.449,225.817 ; USB2.6@160.717,226.949 cw(c160.717,223.086) 163.449,225.817 ; USB2.6@160.717,226.949 cw(c160.717,223.086) 163.449,225.817 ; USB2.6@160.717,226.949 cw(c160.717,223.086) 163.449,225.817 ; USB2.6@160.717,227.152 cw(c160.717,223.779) 163.102,226.164 ; USB2.6@160.717,227.152 cw(c160.717,223.779) 163.102,226.164 ; USB2.6@160.717,227.152 cw(c160.717,223.779) 163.102,226.164 ; USB2.6@160.717,227.152 cw(c160.717,223.779) 163.102,226.164 ; USB2.6@160.717,227.355 cw(c160.717,224.473) 162.755,226.511 ; USB2.6@160.717,227.355 cw(c160.717,224.473) 162.755,226.511 ; USB2.6@160.717,227.355 cw(c160.717,224.473) 162.755,226.511 ; USB2.6@160.717,227.355 cw(c160.717,224.473) 162.755,226.511 ; USB2.6@160.717,227.558 cw(c160.717,225.167) 162.408,226.858 ; USB2.6@160.717,227.558 cw(c160.717,225.167) 162.408,226.858 ; USB2.6@160.717,227.558 cw(c160.717,225.167) 162.408,226.858 ; USB2.6@160.717,227.558 cw(c160.717,225.167) 162.408,226.858 ; USB2.6@160.721,228.574 cw(c160.353,226.059) 162.808,226.717 ; USB2.6@160.721,228.574 cw(c160.353,226.059) 162.808,226.717 ; USB2.6@160.721,228.574 cw(c160.353,226.059) 162.808,226.717 ; USB2.6@160.721,228.574 cw(c160.353,226.059) 162.808,226.717 ; USB2.6@160.721,228.574 cw(c160.353,226.059) 162.808,226.717 ; USB2.6@160.721,228.574 cw(c160.353,226.059) 162.808,226.717 ; USB2.6@160.75,228.775 cw(c160.402,226.392) 162.728,227.015 ; USB2.6@160.75,228.775 cw(c160.402,226.392) 162.728,227.015 ; USB2.6@160.75,228.775 cw(c160.402,226.392) 162.728,227.015 ; USB2.6@160.75,228.775 cw(c160.402,226.392) 162.728,227.015 ; USB2.6@160.75,228.775 cw(c160.402,226.392) 162.728,227.015 ; USB2.6@160.75,228.775 cw(c160.402,226.392) 162.728,227.015 ; USB2.6@160.78,228.976 cw(c160.45,226.725) 162.648,227.313 ; USB2.6@160.78,228.976 cw(c160.45,226.725) 162.648,227.313 ; USB2.6@160.78,228.976 cw(c160.45,226.725) 162.648,227.313 ; USB2.6@160.78,228.976 cw(c160.45,226.725) 162.648,227.313 ; USB2.6@160.78,228.976 cw(c160.45,226.725) 162.648,227.313 ; USB2.6@160.78,228.976 cw(c160.45,226.725) 162.648,227.313 ; USB2.6@160.809,229.177 cw(c160.499,227.057) 162.568,227.612 ; USB2.6@160.809,229.177 cw(c160.499,227.057) 162.568,227.612 ; USB2.6@160.809,229.177 cw(c160.499,227.057) 162.568,227.612 ; USB2.6@160.809,229.177 cw(c160.499,227.057) 162.568,227.612 ; USB2.6@160.809,229.177 cw(c160.499,227.057) 162.568,227.612 ; USB2.6@160.809,229.177 cw(c160.499,227.057) 162.568,227.612 ; USB2.6@161.044,229.321 cw(c159.911,226.644) 162.772,227.161 ; USB2.6@161.044,229.321 cw(c159.911,226.644) 162.772,227.161 ; USB2.6@161.044,229.321 cw(c159.911,226.644) 162.772,227.161 ; USB2.6@161.044,229.321 cw(c159.911,226.644) 162.772,227.161 ; USB2.6@161.044,229.321 cw(c159.911,226.644) 162.772,227.161 ; USB2.6@161.044,229.321 cw(c159.911,226.644) 162.772,227.161 ; USB2.6@161.123,229.508 cw(c160.086,227.057) 162.705,227.531 ; USB2.6@161.123,229.508 cw(c160.086,227.057) 162.705,227.531 ; USB2.6@161.123,229.508 cw(c160.086,227.057) 162.705,227.531 ; USB2.6@161.123,229.508 cw(c160.086,227.057) 162.705,227.531 ; USB2.6@161.123,229.508 cw(c160.086,227.057) 162.705,227.531 ; USB2.6@161.123,229.508 cw(c160.086,227.057) 162.705,227.531 ; USB2.6@161.202,229.695 cw(c160.261,227.471) 162.638,227.901 ; USB2.6@161.202,229.695 cw(c160.261,227.471) 162.638,227.901 ; USB2.6@161.202,229.695 cw(c160.261,227.471) 162.638,227.901 ; USB2.6@161.202,229.695 cw(c160.261,227.471) 162.638,227.901 ; USB2.6@161.202,229.695 cw(c160.261,227.471) 162.638,227.901 ; USB2.6@161.202,229.695 cw(c160.261,227.471) 162.638,227.901 ; USB2.6@161.481,227.919 cw(c162.817,226.818) 162.817,228.549 ; USB2.6@161.481,227.919 cw(c162.817,226.818) 162.817,228.549 ; USB2.6@161.481,227.919 cw(c162.817,226.818) 162.817,228.549 ; USB2.6@161.481,227.919 cw(c162.817,226.818) 162.817,228.549 ; USB2.6@161.481,229.179 ccw(c162.817,230.28) 162.817,228.549 ; USB2.6@161.481,229.179 ccw(c162.817,230.28) 162.817,228.549 ; USB2.6@161.481,229.179 ccw(c162.817,230.28) 162.817,228.549 ; USB2.6@161.481,229.179 ccw(c162.817,230.28) 162.817,228.549 ; USB2.6@161.638,227.79 cw(c163.248,226.462) 163.248,228.549 ; USB2.6@161.638,227.79 cw(c163.248,226.462) 163.248,228.549 ; USB2.6@161.638,227.79 cw(c163.248,226.462) 163.248,228.549 ; USB2.6@161.638,227.79 cw(c163.248,226.462) 163.248,228.549 ; USB2.6@161.638,229.308 ccw(c163.248,230.635) 163.248,228.549 ; USB2.6@161.638,229.308 ccw(c163.248,230.635) 163.248,228.549 ; USB2.6@161.638,229.308 ccw(c163.248,230.635) 163.248,228.549 ; USB2.6@161.638,229.308 ccw(c163.248,230.635) 163.248,228.549 ; USB2.6@161.708,228.549 ccw(c164.099,228.549) 162.408,226.858 ; USB2.6@161.708,228.549 ccw(c164.099,228.549) 162.408,226.858 ; USB2.6@161.708,228.549 ccw(c164.099,228.549) 162.408,226.858 ; USB2.6@161.708,228.549 ccw(c164.099,228.549) 162.408,226.858 ; USB2.6@161.795,227.66 cw(c163.679,226.107) 163.679,228.549 ; USB2.6@161.795,227.66 cw(c163.679,226.107) 163.679,228.549 ; USB2.6@161.795,227.66 cw(c163.679,226.107) 163.679,228.549 ; USB2.6@161.795,227.66 cw(c163.679,226.107) 163.679,228.549 ; USB2.6@161.795,229.438 ccw(c163.679,230.991) 163.679,228.549 ; USB2.6@161.795,229.438 ccw(c163.679,230.991) 163.679,228.549 ; USB2.6@161.795,229.438 ccw(c163.679,230.991) 163.679,228.549 ; USB2.6@161.795,229.438 ccw(c163.679,230.991) 163.679,228.549 ; USB2.6@161.911,228.549 ccw(c164.793,228.549) 162.755,226.511 ; USB2.6@161.911,228.549 ccw(c164.793,228.549) 162.755,226.511 ; USB2.6@161.911,228.549 ccw(c164.793,228.549) 162.755,226.511 ; USB2.6@161.911,228.549 ccw(c164.793,228.549) 162.755,226.511 ; USB2.6@161.952,227.531 cw(c164.11,225.752) 164.11,228.549 ; USB2.6@161.952,227.531 cw(c164.11,225.752) 164.11,228.549 ; USB2.6@161.952,227.531 cw(c164.11,225.752) 164.11,228.549 ; USB2.6@161.952,227.531 cw(c164.11,225.752) 164.11,228.549 ; USB2.6@161.952,229.567 ccw(c164.11,231.346) 164.11,228.549 ; USB2.6@161.952,229.567 ccw(c164.11,231.346) 164.11,228.549 ; USB2.6@161.952,229.567 ccw(c164.11,231.346) 164.11,228.549 ; USB2.6@161.952,229.567 ccw(c164.11,231.346) 164.11,228.549 ; USB2.6@162.109,227.402 cw(c164.541,225.397) 164.541,228.549 ; USB2.6@162.109,227.402 cw(c164.541,225.397) 164.541,228.549 ; USB2.6@162.109,227.402 cw(c164.541,225.397) 164.541,228.549 ; USB2.6@162.109,227.402 cw(c164.541,225.397) 164.541,228.549 ; USB2.6@162.109,229.696 ccw(c164.541,231.701) 164.541,228.549 ; USB2.6@162.109,229.696 ccw(c164.541,231.701) 164.541,228.549 ; USB2.6@162.109,229.696 ccw(c164.541,231.701) 164.541,228.549 ; USB2.6@162.109,229.696 ccw(c164.541,231.701) 164.541,228.549 ; USB2.6@162.114,228.549 ccw(c165.487,228.549) 163.102,226.164 ; USB2.6@162.114,228.549 ccw(c165.487,228.549) 163.102,226.164 ; USB2.6@162.114,228.549 ccw(c165.487,228.549) 163.102,226.164 ; USB2.6@162.114,228.549 ccw(c165.487,228.549) 163.102,226.164 ; USB2.6@162.317,228.549 ccw(c166.181,228.549) 163.449,225.817 ; USB2.6@162.317,228.549 ccw(c166.181,228.549) 163.449,225.817 ; USB2.6@162.317,228.549 ccw(c166.181,228.549) 163.449,225.817 ; USB2.6@162.317,228.549 ccw(c166.181,228.549) 163.449,225.817 ; USB2.6@162.521,228.549 ccw(c166.874,228.549) 163.796,225.47 ; USB2.6@162.521,228.549 ccw(c166.874,228.549) 163.796,225.47 ; USB2.6@162.521,228.549 ccw(c166.874,228.549) 163.796,225.47 ; USB2.6@162.521,228.549 ccw(c166.874,228.549) 163.796,225.47 ; 167.246,224.917 cw(c167.246,224.396) v1@167.614,224.764 ; 167.246,224.917 ccw(c167.246,225.438) v1@167.614,225.07 ; 167.246,224.917 cw(c167.246,224.396) v1@167.614,224.764 ; 167.246,224.917 ccw(c167.246,225.438) v1@167.614,225.07 ; 167.246,224.917 ccw(c167.246,225.438) v1@167.614,225.07 ; 167.246,224.917 cw(c167.246,224.396) v1@167.614,224.764 ; 167.246,224.917 ccw(c167.246,225.438) v1@167.614,225.07 ; 167.246,224.917 cw(c167.246,224.396) v1@167.614,224.764 ; 171.437,232.918 cw(c171.437,232.397) v1@171.805,232.765 ; 171.437,232.918 ccw(c171.437,233.439) v1@171.805,233.071 ; 171.437,232.918 cw(c171.437,232.397) v1@171.805,232.765 ; 171.437,232.918 ccw(c171.437,233.439) v1@171.805,233.071 ; 171.437,232.918 ccw(c171.437,233.439) v1@171.805,233.071 ; 171.437,232.918 cw(c171.437,232.397) v1@171.805,232.765 ; 171.437,232.918 ccw(c171.437,233.439) v1@171.805,233.071 ; 171.437,232.918 cw(c171.437,232.397) v1@171.805,232.765 ; v1@177.292,189.522 cw(c177.292,189.001) 177.661,189.369 ; v1@177.292,189.522 cw(c177.292,189.001) 177.661,189.369 ; v1@177.292,189.522 cw(c177.292,189.001) 177.661,189.369 ; v1@177.292,189.522 cw(c177.292,189.001) 177.661,189.369 ; v1@177.508,189.738 ccw(c178.029,189.738) 177.661,189.369 ; v1@177.508,189.738 ccw(c178.029,189.738) 177.661,189.369 ; v1@177.508,189.738 ccw(c178.029,189.738) 177.661,189.369 ; v1@177.508,189.738 ccw(c178.029,189.738) 177.661,189.369 ; 181.706,187.054 cw(c181.706,186.532) v1@182.075,186.901 ; 181.706,187.054 ccw(c181.706,187.575) v1@182.075,187.206 ; 181.706,187.054 cw(c181.706,186.532) v1@182.075,186.901 ; 181.706,187.054 ccw(c181.706,187.575) v1@182.075,187.206 ; 181.706,187.054 ccw(c181.706,187.575) v1@182.075,187.206 ; 181.706,187.054 cw(c181.706,186.532) v1@182.075,186.901 ; 181.706,187.054 ccw(c181.706,187.575) v1@182.075,187.206 ; 181.706,187.054 cw(c181.706,186.532) v1@182.075,186.901 ; v1@201.015,204.698 cw(c200.647,204.33) 201.168,204.33 ; v1@201.015,204.698 cw(c200.647,204.33) 201.168,204.33 ; v1@201.015,204.698 cw(c200.647,204.33) 201.168,204.33 ; v1@201.015,204.698 cw(c200.647,204.33) 201.168,204.33 ; 201.168,204.33 cw(c201.689,204.33) v1@201.321,204.698 ; 201.168,204.33 cw(c201.689,204.33) v1@201.321,204.698 ; 201.168,204.33 cw(c201.689,204.33) v1@201.321,204.698 ; 201.168,204.33 cw(c201.689,204.33) v1@201.321,204.698 ; 201.561,203.188 cw(c201.193,202.819) v1@201.714,202.819 ; 201.561,203.188 ccw(c201.93,203.556) v1@201.93,203.035 ; 201.561,203.188 cw(c201.193,202.819) v1@201.714,202.819 ; 201.561,203.188 ccw(c201.93,203.556) v1@201.93,203.035 ; 201.561,203.188 ccw(c201.93,203.556) v1@201.93,203.035 ; 201.561,203.188 cw(c201.193,202.819) v1@201.714,202.819 ; 201.561,203.188 ccw(c201.93,203.556) v1@201.93,203.035 ; 201.561,203.188 cw(c201.193,202.819) v1@201.714,202.819
  other v1: 187.706,152.019 186.055,160.782 194.437,173.99 223.71,194.31 178.799,222.123 230.505,238.76
  other v2: 224.171,233.823 225.171,233.823 226.171,233.823 177.943,233.848 178.943,233.848 179.943,233.848 224.171,234.823 225.171,234.823 177.943,234.848 178.943,234.848 179.943,234.848 224.171,235.823 225.171,235.823 226.171,235.823 177.943,235.848 179.943,235.848
GPIO0: E3.2 printf.3 U6.18 | length 59.5
  Top Layer w0.203: U6.18@212.471,227.074 213.841,227.074 ; printf.3@223.774,225.298 223.774,228.092 219.837,232.029 E3.2@219.075,232.029 218.059,233.045 215.9,233.045 215.24,232.385 215.24,228.473 213.841,227.074 ; U6.18@213.272,226.814 cw(c213.841,226.324) 213.841,227.074 ; U6.18@213.272,226.814 cw(c213.841,226.324) 213.841,227.074 ; U6.18@213.272,226.814 cw(c213.841,226.324) 213.841,227.074 ; U6.18@213.272,226.814 cw(c213.841,226.324) 213.841,227.074 ; U6.18@213.272,227.334 ccw(c213.841,227.824) 213.841,227.074 ; U6.18@213.272,227.334 ccw(c213.841,227.824) 213.841,227.074 ; U6.18@213.272,227.334 ccw(c213.841,227.824) 213.841,227.074 ; U6.18@213.272,227.334 ccw(c213.841,227.824) 213.841,227.074 ; 218.381,232.723 ccw(c219.075,233.417) E3.2@219.075,232.435 ; 218.381,232.723 ccw(c219.075,233.417) E3.2@219.075,232.435 ; 218.381,232.723 ccw(c219.075,233.417) E3.2@219.075,232.435 ; 218.381,232.723 ccw(c219.075,233.417) E3.2@219.075,232.435 ; 218.507,232.588 cw(c218.319,231.886) E3.2@219.003,232.13 ; 218.507,232.588 cw(c218.319,231.886) E3.2@219.003,232.13 ; 218.507,232.588 cw(c218.319,231.886) E3.2@219.003,232.13 ; 218.507,232.588 cw(c218.319,231.886) E3.2@219.003,232.13 ; 218.507,232.588 cw(c218.319,231.886) E3.2@219.003,232.13 ; 218.688,232.416 cw(c218.428,232.156) E3.2@218.796,232.156 ; 218.688,232.416 cw(c218.428,232.156) E3.2@218.796,232.156 ; 218.688,232.416 cw(c218.428,232.156) E3.2@218.796,232.156 ; 218.688,232.416 cw(c218.428,232.156) E3.2@218.796,232.156 ; E3.2@218.728,232.376 ccw(c219.075,232.723) E3.2@219.075,232.232 ; E3.2@218.728,232.376 ccw(c219.075,232.723) E3.2@219.075,232.232 ; E3.2@218.728,232.376 ccw(c219.075,232.723) E3.2@219.075,232.232 ; E3.2@218.728,232.376 ccw(c219.075,232.723) E3.2@219.075,232.232 ; E3.2@218.882,232.487 cw(c218.763,232.045) E3.2@219.195,232.199 ; E3.2@218.882,232.487 cw(c218.763,232.045) E3.2@219.195,232.199 ; E3.2@218.882,232.487 cw(c218.763,232.045) E3.2@219.195,232.199 ; E3.2@218.882,232.487 cw(c218.763,232.045) E3.2@219.195,232.199 ; E3.2@218.882,232.487 cw(c218.763,232.045) E3.2@219.195,232.199 ; E3.2@219.273,231.831 cw(c219.75,231.354) 219.75,232.029 ; E3.2@219.273,231.831 cw(c219.75,231.354) 219.75,232.029 ; E3.2@219.273,231.831 cw(c219.75,231.354) 219.75,232.029 ; E3.2@219.273,231.831 cw(c219.75,231.354) 219.75,232.029 ; E3.2@219.273,232.227 ccw(c219.75,232.704) 219.75,232.029 ; E3.2@219.273,232.227 ccw(c219.75,232.704) 219.75,232.029 ; E3.2@219.273,232.227 ccw(c219.75,232.704) 219.75,232.029 ; E3.2@219.273,232.227 ccw(c219.75,232.704) 219.75,232.029 ; printf.3@223.289,225.948 ccw(c222.118,227.119) 223.774,227.119 ; printf.3@223.289,225.948 ccw(c222.118,227.119) 223.774,227.119 ; printf.3@223.289,225.948 ccw(c222.118,227.119) 223.774,227.119 ; printf.3@223.289,225.948 ccw(c222.118,227.119) 223.774,227.119 ; printf.3@223.433,225.804 ccw(c222.609,226.628) 223.774,226.628 ; printf.3@223.433,225.804 ccw(c222.609,226.628) 223.774,226.628 ; printf.3@223.433,225.804 ccw(c222.609,226.628) 223.774,226.628 ; printf.3@223.433,225.804 ccw(c222.609,226.628) 223.774,226.628 ; 223.774,226.628 ccw(c224.939,226.628) printf.3@224.115,225.804 ; 223.774,226.628 ccw(c224.939,226.628) printf.3@224.115,225.804 ; 223.774,226.628 ccw(c224.939,226.628) printf.3@224.115,225.804 ; 223.774,226.628 ccw(c224.939,226.628) printf.3@224.115,225.804 ; 223.774,227.119 ccw(c225.43,227.119) printf.3@224.259,225.948 ; 223.774,227.119 ccw(c225.43,227.119) printf.3@224.259,225.948 ; 223.774,227.119 ccw(c225.43,227.119) printf.3@224.259,225.948 ; 223.774,227.119 ccw(c225.43,227.119) printf.3@224.259,225.948
GPIO2: E2.2 printf.1 U6.17 | length 51.8
  Top Layer w0.203: U6.17@212.472,225.073 214.405,225.073 215.646,226.314 215.646,231.013 E2.2@216.535,231.902 217.932,230.505 217.932,226.06 ; printf.1@218.694,225.298 217.932,226.06 ; U6.17@213.253,224.791 cw(c213.933,224.111) 213.933,225.073 ; U6.17@213.253,224.791 cw(c213.933,224.111) 213.933,225.073 ; U6.17@213.253,224.791 cw(c213.933,224.111) 213.933,225.073 ; U6.17@213.253,224.791 cw(c213.933,224.111) 213.933,225.073 ; U6.17@213.253,225.355 ccw(c213.933,226.035) 213.933,225.073 ; U6.17@213.253,225.355 ccw(c213.933,226.035) 213.933,225.073 ; U6.17@213.253,225.355 ccw(c213.933,226.035) 213.933,225.073 ; U6.17@213.253,225.355 ccw(c213.933,226.035) 213.933,225.073 ; 215.841,231.208 cw(c216.535,230.514) E2.2@216.535,231.496 ; 215.841,231.208 cw(c216.535,230.514) E2.2@216.535,231.496 ; 215.841,231.208 cw(c216.535,230.514) E2.2@216.535,231.496 ; 215.841,231.208 cw(c216.535,230.514) E2.2@216.535,231.496 ; 215.967,231.343 ccw(c215.779,232.045) E2.2@216.463,231.801 ; 215.967,231.343 ccw(c215.779,232.045) E2.2@216.463,231.801 ; 215.967,231.343 ccw(c215.779,232.045) E2.2@216.463,231.801 ; 215.967,231.343 ccw(c215.779,232.045) E2.2@216.463,231.801 ; 215.967,231.343 ccw(c215.779,232.045) E2.2@216.463,231.801 ; 215.967,231.343 ccw(c215.779,232.045) E2.2@216.463,231.801 ; 216.148,231.515 ccw(c215.888,231.775) E2.2@216.256,231.775 ; 216.148,231.515 ccw(c215.888,231.775) E2.2@216.256,231.775 ; 216.148,231.515 ccw(c215.888,231.775) E2.2@216.256,231.775 ; 216.148,231.515 ccw(c215.888,231.775) E2.2@216.256,231.775 ; E2.2@216.188,231.555 cw(c216.535,231.208) E2.2@216.535,231.699 ; E2.2@216.188,231.555 cw(c216.535,231.208) E2.2@216.535,231.699 ; E2.2@216.188,231.555 cw(c216.535,231.208) E2.2@216.535,231.699 ; E2.2@216.188,231.555 cw(c216.535,231.208) E2.2@216.535,231.699 ; E2.2@216.342,231.444 ccw(c216.223,231.886) E2.2@216.655,231.732 ; E2.2@216.342,231.444 ccw(c216.223,231.886) E2.2@216.655,231.732 ; E2.2@216.342,231.444 ccw(c216.223,231.886) E2.2@216.655,231.732 ; E2.2@216.342,231.444 ccw(c216.223,231.886) E2.2@216.655,231.732 ; E2.2@216.342,231.444 ccw(c216.223,231.886) E2.2@216.655,231.732 ; E2.2@216.342,231.444 ccw(c216.223,231.886) E2.2@216.655,231.732 ; E2.2@216.415,231.732 ccw(c216.847,231.886) E2.2@216.728,231.444 ; E2.2@216.415,231.732 ccw(c216.847,231.886) E2.2@216.728,231.444 ; E2.2@216.415,231.732 ccw(c216.847,231.886) E2.2@216.728,231.444 ; E2.2@216.415,231.732 ccw(c216.847,231.886) E2.2@216.728,231.444 ; E2.2@216.415,231.732 ccw(c216.847,231.886) E2.2@216.728,231.444 ; E2.2@216.415,231.732 ccw(c216.847,231.886) E2.2@216.728,231.444 ; E2.2@216.535,231.496 cw(c216.535,230.514) 217.229,231.208 ; E2.2@216.535,231.496 cw(c216.535,230.514) 217.229,231.208 ; E2.2@216.535,231.496 cw(c216.535,230.514) 217.229,231.208 ; E2.2@216.535,231.496 cw(c216.535,230.514) 217.229,231.208 ; E2.2@216.535,231.699 cw(c216.535,231.208) E2.2@216.882,231.555 ; E2.2@216.535,231.699 cw(c216.535,231.208) E2.2@216.882,231.555 ; E2.2@216.535,231.699 cw(c216.535,231.208) E2.2@216.882,231.555 ; E2.2@216.535,231.699 cw(c216.535,231.208) E2.2@216.882,231.555 ; E2.2@216.607,231.801 ccw(c217.291,232.045) 217.103,231.343 ; E2.2@216.607,231.801 ccw(c217.291,232.045) 217.103,231.343 ; E2.2@216.607,231.801 ccw(c217.291,232.045) 217.103,231.343 ; E2.2@216.607,231.801 ccw(c217.291,232.045) 217.103,231.343 ; E2.2@216.607,231.801 ccw(c217.291,232.045) 217.103,231.343 ; E2.2@216.607,231.801 ccw(c217.291,232.045) 217.103,231.343 ; E2.2@216.814,231.775 ccw(c217.182,231.775) 216.922,231.515 ; E2.2@216.814,231.775 ccw(c217.182,231.775) 216.922,231.515 ; E2.2@216.814,231.775 ccw(c217.182,231.775) 216.922,231.515 ; E2.2@216.814,231.775 ccw(c217.182,231.775) 216.922,231.515 ; 217.932,226.06 cw(c217.642,225.77) printf.1@218.036,225.655 ; 217.932,226.06 ccw(c218.138,226.266) printf.1@218.303,226.027 ; 217.932,226.06 cw(c217.642,225.77) printf.1@218.036,225.655 ; 217.932,226.06 ccw(c218.138,226.266) printf.1@218.303,226.027 ; 217.932,226.06 ccw(c218.138,226.266) printf.1@218.303,226.027 ; 217.932,226.06 cw(c217.642,225.77) printf.1@218.036,225.655 ; 217.932,226.06 ccw(c218.138,226.266) printf.1@218.303,226.027 ; 217.932,226.06 cw(c217.642,225.77) printf.1@218.036,225.655